# Altium PCB NC1-1A-BASIS.PcbDoc (part 1 of 3) (continued)
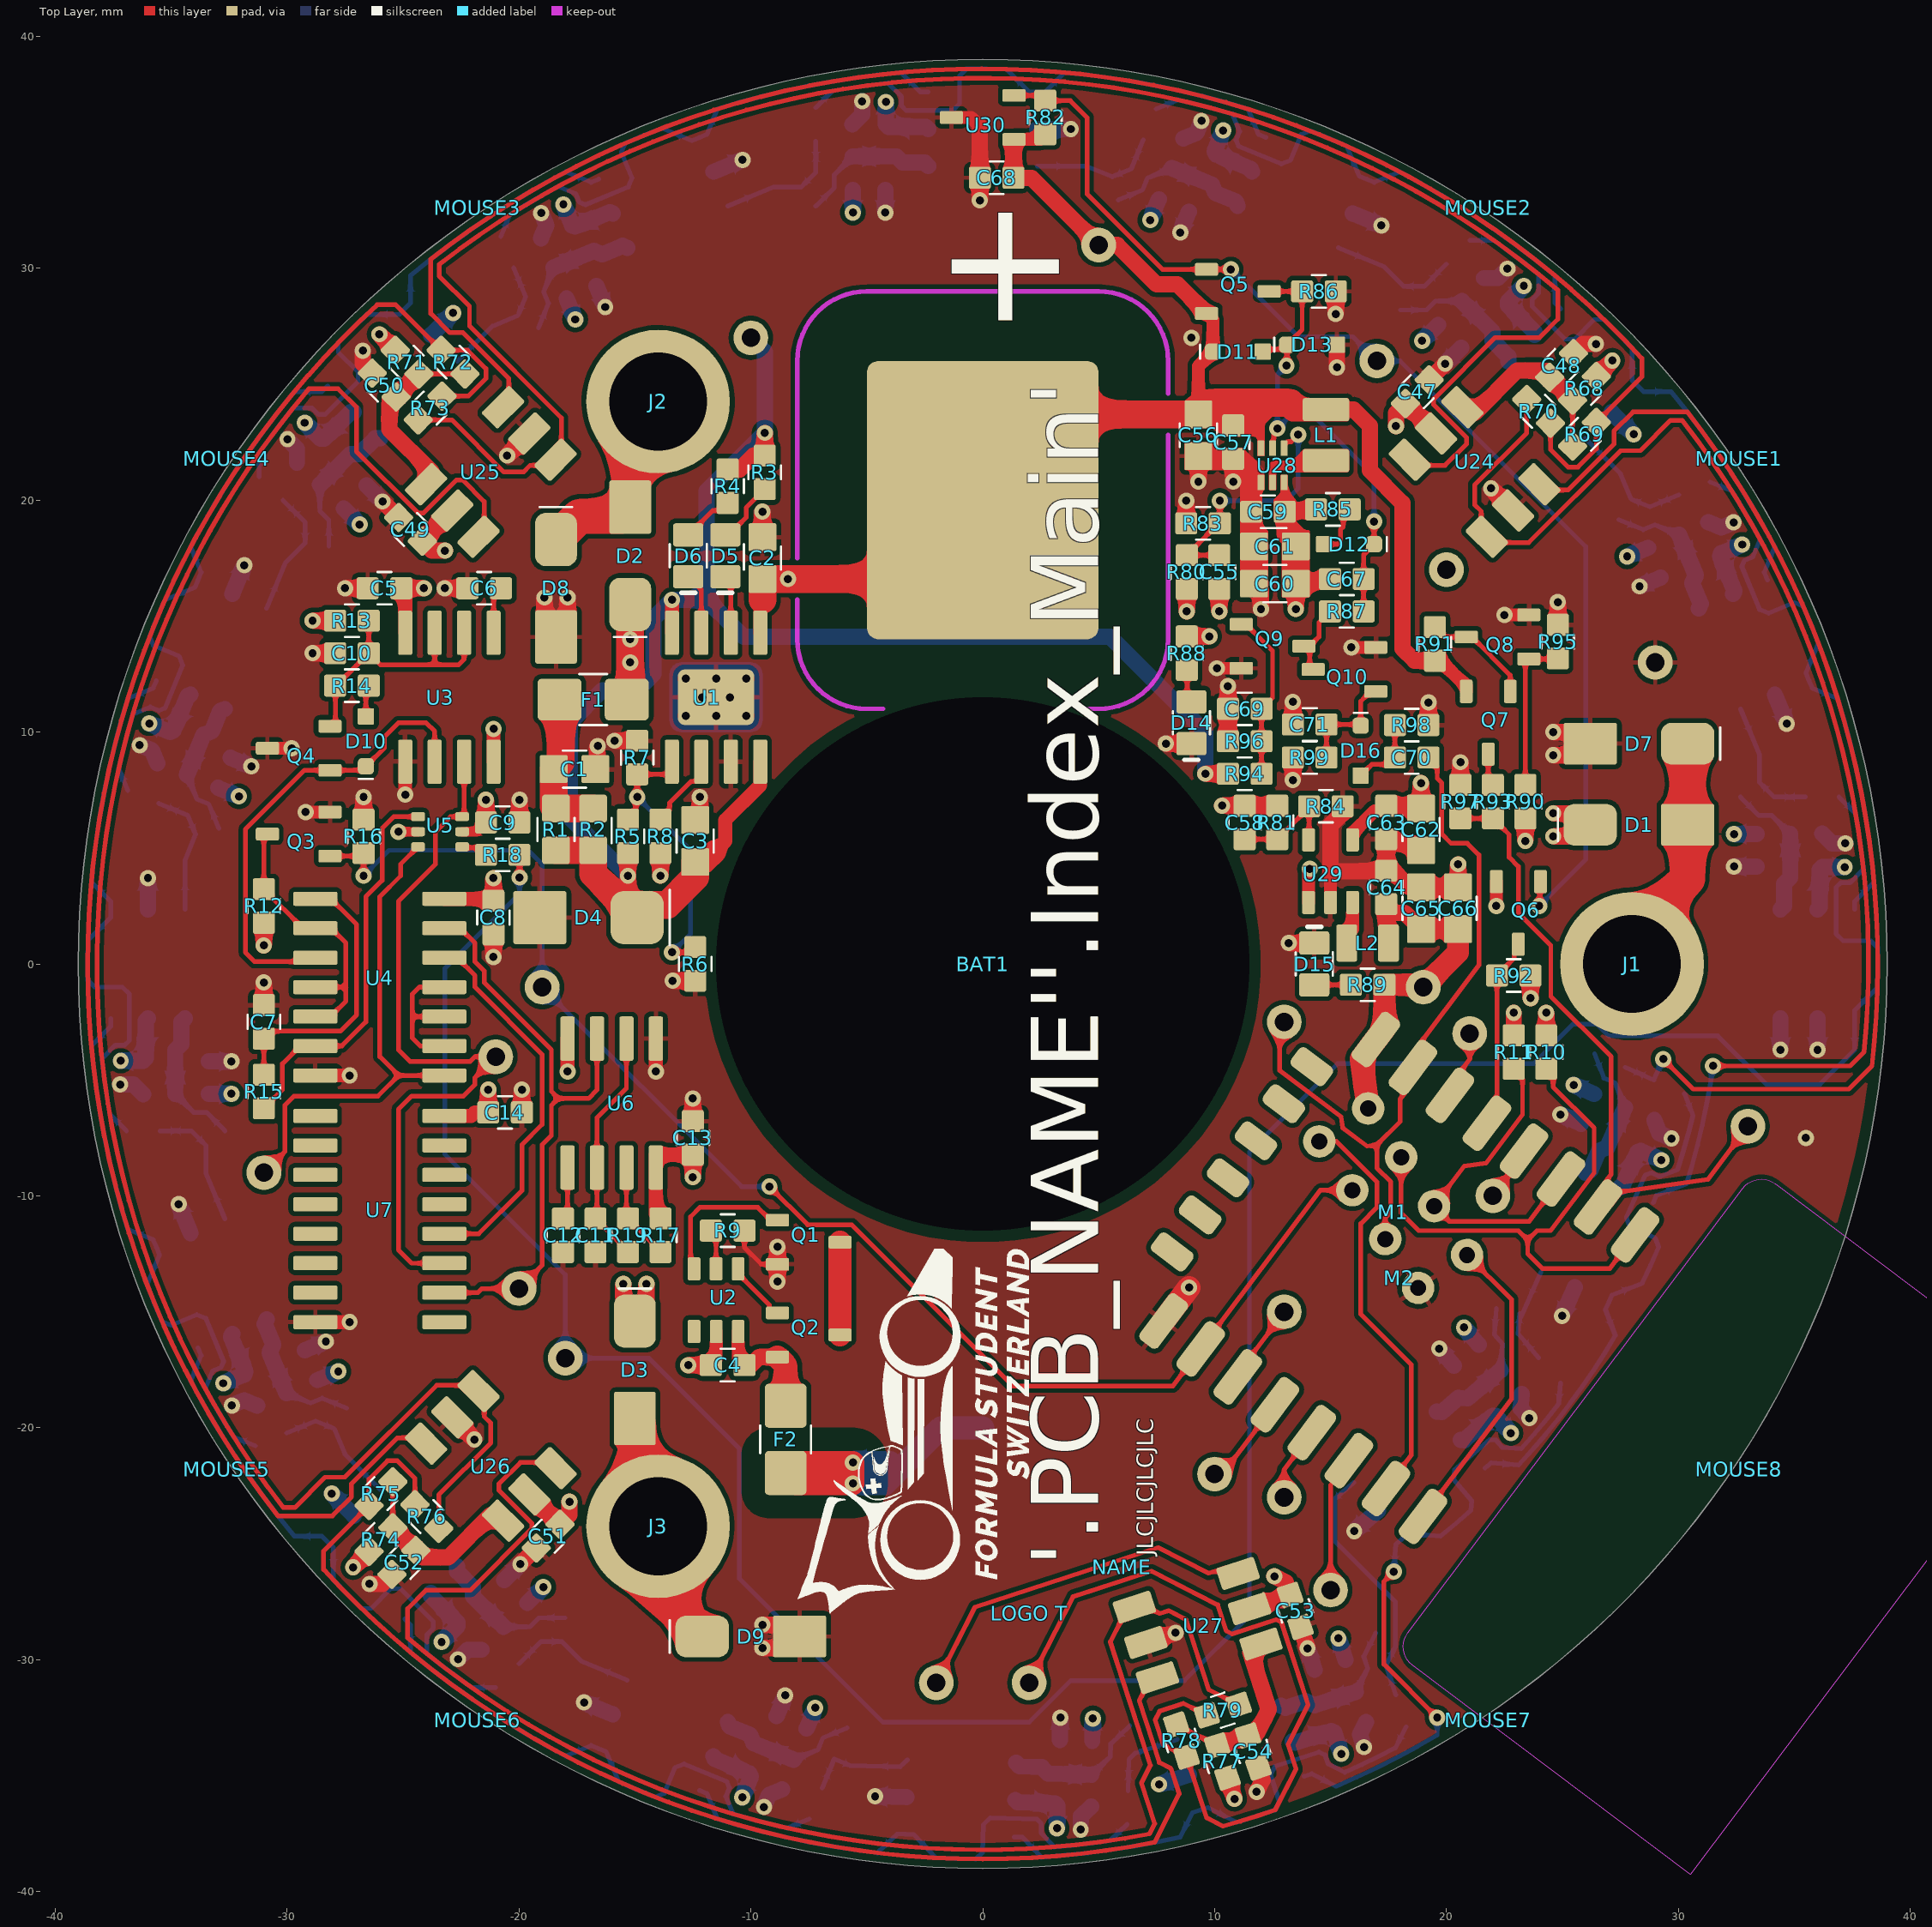
[diagram p0: Top Layer view]
## Components (designator, comment, footprint, x,y, rotation, side; value= is the part's Value field where it differs from the comment) (continued)
J1 "PEM M3, 2mm" MECH_SMTSO3020CTJ 28,0 r270 top
J2 "PEM M3, 2mm" MECH_SMTSO3020CTJ -14,24.249 r330 top
J3 "PEM M3, 2mm" MECH_SMTSO3020CTJ -14,-24.249 r210 top
L1 "1UH/2520" INDM2520X10 14.8,22.8 r270 top value=1UH
L2 "2.2UH/2016" INDM2016X10 16.6,0.9 r0 top value=2.2UH
"LOGO B" "Comment" FSCH-LOGO-20MM 1,34 r315 bottom
"LOGO T" "Comment" FSCH-LOGO-10MM 2,-28 r90 top
M1 "ESP-01S" ESP-01S 17.7,-10.1 r124 top
M2 "ESP-12F" ESP-12F 25.556,-19.258 r143 top
MOUSE1 "Comment" MOUSE-R39-CLEAR 32.427,21.667 r123.75 top
MOUSE2 "Comment" MOUSE-R39-CLEAR 21.667,32.427 r146.25 top
MOUSE3 "Comment" MOUSE-R39-CLEAR -21.667,32.427 r213.75 top
MOUSE4 "Comment" MOUSE-R39-CLEAR -32.427,21.667 r236.25 top
MOUSE5 "Comment" MOUSE-R39-CLEAR -32.427,-21.667 r303.75 top
MOUSE6 "Comment" MOUSE-R39-CLEAR -21.667,-32.427 r326.25 top
MOUSE7 "Comment" MOUSE-R39-CLEAR 21.667,-32.427 r33.75 top
MOUSE8 "Comment" MOUSE-R39-CLEAR 32.427,-21.667 r56.25 top
NAME "Comment" PCB-NAME 6,-26 r90 top
Q1 "AO3400A" SOT2395P280X125-3-SE -7.5,-12 r180 top (schematic designator Q3)
Q2 "AO3400A" SOT2395P280X125-3-SE -7.5,-16 r180 top (schematic designator Q4)
Q3 "AO3400A" SOT2395P280X125-3-SE -29.5,5.6 r0 top (schematic designator Q1)
Q4 "MMBT4403L" SOT2395P280X125-3-SE -29.5,9.3 r0 top (schematic designator Q2)
Q5 "BSS84" SOT2395P280X125-3-SE 11,29 r180 top
Q6 "BSS84" SOT2395P280X125-3-SE 23.1,2.2 r90 top
Q7 "BSS84" SOT2395P280X125-3-SE 21.8,10.4 r90 top
Q8 "AO3400A" SOT2395P280X125-3-SE 22.2,14.1 r0 top
Q9 "AO3400A" SOT2395P280X125-3-SE 12.5,13.7 r180 top
Q10 "AO3400A" SOT2395P280X125-3-SE 15.6,12.7 r0 top
R1 "1R/0805" R0805-0.50-WW -18.4,5.8 r270 top value=1R (schematic designator R14)
R2 "1R/0805" R0805-0.50-WW -16.8,5.8 r270 top value=1R (schematic designator R15)
R3 "270R/0603" R0603-0.40-WW -9.4,21.2 r270 top value=270R (schematic designator R16)
R4 "270R/0603" R0603-0.40-WW -11,20.6 r270 top value=270R (schematic designator R17)
R5 "4K7/0603" R0603-0.40-WW -15.3,5.5 r90 top value=4K7 (schematic designator R18)
R6 "10K/0603/NTC/3380K" R0603-0.40-WW -12.4,0 r270 top value=10K (schematic designator R19)
R7 "100K/0603" R0603-0.40-WW -14.9,8.9 r90 top value=100K (schematic designator R20)
R8 "1K5/0603" R0603-0.40-WW -13.9,5.5 r270 top value=1K5 (schematic designator R21)
R9 "1K5/0603" R0603-0.40-WW -11,-11.5 r0 top value=1K5 (schematic designator R22)
R10 "1K5/0603" R0603-0.40-WW 24.3,-3.8 r270 top value=1K5 (schematic designator R1)
R11 "1K5/0603" R0603-0.40-WW 22.9,-3.8 r270 top value=1K5 (schematic designator R2)
R12 "1K5/0603" R0603-0.40-WW -31,2.5 r90 top value=1K5 (schematic designator R3)
R13 "100K/0603" R0603-0.40-WW -27.2,14.8 r0 top value=100K (schematic designator R4)
R14 "20R/0603" R0603-0.40-WW -27.2,12 r180 top value=20R (schematic designator R5)
R15 "100K/0603" R0603-0.40-WW -31,-5.5 r90 top value=100K (schematic designator R6)
R16 "100K/0603" R0603-0.40-WW -26.7,5.5 r270 top value=100K (schematic designator R7)
R17 "1K5/0603" R0603-0.40-WW -13.9,-11.7 r270 top value=1K5 (schematic designator R8)
R18 "270R/0603" R0603-0.40-WW -20.7,4.7 r0 top value=270R (schematic designator R9)
R19 "270R/0603" R0603-0.40-WW -15.3,-11.7 r270 top value=270R (schematic designator R10)
R20 "270R/0603" R0603-0.40-WW 34.1,5.6 r0 bottom value=270R (schematic designator R11)
R21 "0R/0603" R0603-0.40-WW 33.4,7.2 r0 bottom value=0R (schematic designator R12)
R22 "0R/0603" R0603-0.40-WW 36.2,7.2 r180 bottom value=0R (schematic designator R13)
R23 "270R/0603" R0603-0.40-WW 29.361,18.223 r22.5 bottom value=270R (schematic designator R11)
R24 "0R/0603" R0603-0.40-WW 28.102,19.434 r22.5 bottom value=0R (schematic designator R12)
R25 "0R/0603" R0603-0.40-WW 30.689,20.505 r202.5 bottom value=0R (schematic designator R13)
R26 "270R/0603" R0603-0.40-WW 20.153,28.072 r45 bottom value=270R (schematic designator R11)
R27 "0R/0603" R0603-0.40-WW 18.526,28.709 r45 bottom value=0R (schematic designator R12)
R28 "0R/0603" R0603-0.40-WW 20.506,30.688 r225 bottom value=0R (schematic designator R13)
R29 "270R/0603" R0603-0.40-WW 7.876,33.647 r67.5 bottom value=270R (schematic designator R11)
R30 "0R/0603" R0603-0.40-WW 6.13,33.613 r67.5 bottom value=0R (schematic designator R12)
R31 "0R/0603" R0603-0.40-WW 7.201,36.2 r247.5 bottom value=0R (schematic designator R13)
R32 "270R/0603" R0603-0.40-WW -5.6,34.1 r90 bottom value=270R (schematic designator R11)
R33 "0R/0603" R0603-0.40-WW -7.2,33.4 r90 bottom value=0R (schematic designator R12)
R34 "0R/0603" R0603-0.40-WW -7.2,36.2 r270 bottom value=0R (schematic designator R13)
R35 "270R/0603" R0603-0.40-WW -18.223,29.361 r112.5 bottom value=270R (schematic designator R11)
R36 "0R/0603" R0603-0.40-WW -19.434,28.102 r112.5 bottom value=0R (schematic designator R12)
R37 "0R/0603" R0603-0.40-WW -20.505,30.689 r292.5 bottom value=0R (schematic designator R13)
R38 "270R/0603" R0603-0.40-WW -28.072,20.153 r135 bottom value=270R (schematic designator R11)
R39 "0R/0603" R0603-0.40-WW -28.709,18.526 r135 bottom value=0R (schematic designator R12)
R40 "0R/0603" R0603-0.40-WW -30.688,20.506 r315 bottom value=0R (schematic designator R13)
R41 "270R/0603" R0603-0.40-WW -33.647,7.876 r157.5 bottom value=270R (schematic designator R11)
R42 "0R/0603" R0603-0.40-WW -33.613,6.13 r157.5 bottom value=0R (schematic designator R12)
R43 "0R/0603" R0603-0.40-WW -36.2,7.201 r337.5 bottom value=0R (schematic designator R13)
R44 "270R/0603" R0603-0.40-WW -34.1,-5.6 r180 bottom value=270R (schematic designator R11)
R45 "0R/0603" R0603-0.40-WW -33.4,-7.2 r180 bottom value=0R (schematic designator R12)
R46 "0R/0603" R0603-0.40-WW -36.2,-7.2 r0 bottom value=0R (schematic designator R13)
R47 "270R/0603" R0603-0.40-WW -29.361,-18.223 r202.5 bottom value=270R (schematic designator R11)
R48 "0R/0603" R0603-0.40-WW -28.102,-19.434 r202.5 bottom value=0R (schematic designator R12)
R49 "0R/0603" R0603-0.40-WW -30.689,-20.505 r22.5 bottom value=0R (schematic designator R13)
R50 "270R/0603" R0603-0.40-WW -20.153,-28.072 r225 bottom value=270R (schematic designator R11)
R51 "0R/0603" R0603-0.40-WW -18.526,-28.709 r225 bottom value=0R (schematic designator R12)
R52 "0R/0603" R0603-0.40-WW -20.506,-30.688 r45 bottom value=0R (schematic designator R13)
R53 "270R/0603" R0603-0.40-WW -7.876,-33.647 r247.5 bottom value=270R (schematic designator R11)
R54 "0R/0603" R0603-0.40-WW -6.13,-33.613 r247.5 bottom value=0R (schematic designator R12)
R55 "0R/0603" R0603-0.40-WW -7.201,-36.2 r67.5 bottom value=0R (schematic designator R13)
R56 "270R/0603" R0603-0.40-WW 4.705,-34.235 r268.5 bottom value=270R (schematic designator R11)
R57 "0R/0603" R0603-0.40-WW 6.323,-33.577 r268.5 bottom value=0R (schematic designator R12)
R58 "0R/0603" R0603-0.40-WW 6.25,-36.376 r88.5 bottom value=0R (schematic designator R13)
R59 "270R/0603" R0603-0.40-WW 15.863,-30.701 r288 bottom value=270R (schematic designator R11)
R60 "0R/0603" R0603-0.40-WW 17.169,-29.54 r288 bottom value=0R (schematic designator R12)
R61 "0R/0603" R0603-0.40-WW 18.034,-32.203 r108 bottom value=0R (schematic designator R13)
R62 "270R/0603" R0603-0.40-WW 21.858,-16.97 r310.5 bottom value=270R (schematic designator R11)
R63 "0R/0603" R0603-0.40-WW 22.62,-15.399 r310.5 bottom value=0R (schematic designator R12)
R64 "0R/0603" R0603-0.40-WW 24.439,-17.528 r130.5 bottom value=0R (schematic designator R13)
R65 "270R/0603" R0603-0.40-WW 27.035,-5.907 r336 bottom value=270R (schematic designator R11)
R66 "0R/0603" R0603-0.40-WW 27.046,-4.16 r336 bottom value=0R (schematic designator R12)
R67 "0R/0603" R0603-0.40-WW 29.604,-5.299 r156 bottom value=0R (schematic designator R13)
R68 "270R/0603" R0603-0.40-WW 25.951,24.819 r225 top value=270R (schematic designator R11)
R69 "0R/0603" R0603-0.40-WW 25.951,22.84 r45 top value=0R (schematic designator R12)
R70 "0R/0603" R0603-0.40-WW 23.971,23.829 r315 top value=0R (schematic designator R13)
R71 "270R/0603" R0603-0.40-WW -24.819,25.951 r315 top value=270R (schematic designator R11)
R72 "0R/0603" R0603-0.40-WW -22.84,25.951 r135 top value=0R (schematic designator R12)
R73 "0R/0603" R0603-0.40-WW -23.829,23.971 r45 top value=0R (schematic designator R13)
R74 "270R/0603" R0603-0.40-WW -25.951,-24.819 r45 top value=270R (schematic designator R11)
R75 "0R/0603" R0603-0.40-WW -25.951,-22.84 r225 top value=0R (schematic designator R12)
R76 "0R/0603" R0603-0.40-WW -23.971,-23.83 r135 top value=0R (schematic designator R13)
R77 "270R/0603" R0603-0.40-WW 10.333,-34.39 r108 top value=270R (schematic designator R11)
R78 "0R/0603" R0603-0.40-WW 8.569,-33.491 r288 top value=0R (schematic designator R12)
R79 "0R/0603" R0603-0.40-WW 10.35,-32.177 r198 top value=0R (schematic designator R13)
R80 "100K/0603" R0603-0.40-WW 8.8,16.9 r90 top value=100K (schematic designator R23)
R81 "100K/0603" R0603-0.40-WW 12.7,6.1 r270 top value=100K (schematic designator R24)
R82 "100K/0603" R0603-0.40-WW 2.7,36.5 r90 top value=100K (schematic designator R25)
R83 "13K/0603" R0603-0.40-WW 9.5,19 r0 top value=13K (schematic designator R26)
R84 "22K/0603" R0603-0.40-WW 14.8,6.8 r0 top value=22K (schematic designator R27)
R85 "22K/0603" R0603-0.40-WW 15.1,19.6 r180 top value=22K (schematic designator R28)
R86 "100K/0603" R0603-0.40-WW 14.5,29 r0 top value=100K (schematic designator R29)
R87 "1K5/0603" R0603-0.40-WW 15.7,15.2 r180 top value=1K5 (schematic designator R30)
R88 "270R/0603" R0603-0.40-WW 8.8,13.4 r270 top value=270R (schematic designator R31)
R89 "20R/0603" R0603-0.40-WW 16.6,-0.9 r180 top value=20R (schematic designator R32)
R90 "22K/0603" R0603-0.40-WW 23.4,7 r90 top value=22K (schematic designator R33)
R91 "100K/0603" R0603-0.40-WW 19.5,13.8 r90 top value=100K (schematic designator R34)
R92 "100K/0603" R0603-0.40-WW 22.9,-0.5 r0 top value=100K (schematic designator R35)
R93 "100K/0603" R0603-0.40-WW 22,7 r270 top value=100K (schematic designator R36)
R94 "100K/0603" R0603-0.40-WW 11.3,8.2 r0 top value=100K (schematic designator R37)
R95 "100K/0603" R0603-0.40-WW 24.8,13.9 r90 top value=100K (schematic designator R38)
R96 "10M/0603" R0603-0.40-WW 11.3,9.6 r180 top value=10M (schematic designator R39)
R97 "22K/0603" R0603-0.40-WW 20.6,7 r90 top value=22K (schematic designator R40)
R98 "270R/0603" R0603-0.40-WW 18.5,10.3 r0 top value=270R (schematic designator R41)
R99 "100K/0603" R0603-0.40-WW 14.1,8.9 r180 top value=100K (schematic designator R42)
TP1 "TP_THD_1.5/0.8" TP_THD_1.5/0.8 -10,27 r180 bottom (schematic designator TP15)
TP2 "TP_THD_1.5/0.8" TP_THD_1.5/0.8 5,31 r180 bottom (schematic designator TP16)
TP3 "TP_THD_1.5/0.8" TP_THD_1.5/0.8 13,-2.5 r180 bottom (schematic designator TP1)
TP4 "TP_THD_1.5/0.8" TP_THD_1.5/0.8 -19,-1 r180 bottom (schematic designator TP2)
TP5 "TP_THD_1.5/0.8" TP_THD_1.5/0.8 10,-22 r180 bottom (schematic designator TP3)
TP6 "TP_THD_1.5/0.8" TP_THD_1.5/0.8 13,-15 r180 bottom (schematic designator TP4)
TP7 "TP_THD_1.5/0.8" TP_THD_1.5/0.8 13,-23 r180 bottom (schematic designator TP5)
TP8 "TP_THD_1.5/0.8" TP_THD_1.5/0.8 15,-27 r180 bottom (schematic designator TP6)
TP9 "TP_THD_1.5/0.8" TP_THD_1.5/0.8 21,-3 r225 bottom
TP10 "TP_THD_1.5/0.8" TP_THD_1.5/0.8 22,-10 r180 bottom
TP11 "TP_THD_1.5/0.8" TP_THD_1.5/0.8 -21,-4 r180 bottom (schematic designator TP9)
TP12 "TP_THD_1.5/0.8" TP_THD_1.5/0.8 -18,-17 r180 bottom (schematic designator TP10)
TP13 "TP_THD_1.5/0.8" TP_THD_1.5/0.8 -20,-14 r180 bottom (schematic designator TP11)
TP14 "TP_THD_1.5/0.8" TP_THD_1.5/0.8 -31,-9 r180 bottom (schematic designator TP12)
TP15 "TP_THD_1.5/0.8" TP_THD_1.5/0.8 -2,-31 r90 bottom (schematic designator TP13)
TP16 "TP_THD_1.5/0.8" TP_THD_1.5/0.8 2,-31 r169.78 bottom (schematic designator TP14)
TP17 "TP_THD_1.5/0.8" TP_THD_1.5/0.8 20,17 r225 bottom
TP18 "TP_THD_1.5/0.8" TP_THD_1.5/0.8 19,-1 r225 bottom
TP19 "TP_THD_1.5/0.8" TP_THD_1.5/0.8 17,26 r180 bottom
TP20 "TP_THD_1.5/0.8" TP_THD_1.5/0.8 29,13 r180 bottom
TP21 "TP_THD_1.5/0.8" TP_THD_1.5/0.8 33,-7 r180 bottom
U1 "TP4056-MS" SOP127P600X155-9-TH330x240-NW -11.5,11.5 r90 top (schematic designator U7)
U2 "DW01A" SOT2395P280X125-6-SW -11.5,-14.5 r180 top (schematic designator U8)
U3 "XL555" SOP127P600X155-8-SW -23,11.5 r0 top (schematic designator U1)
U4 "AIP74HC00" SOP127P600X155-14-SW -26,-1 r270 top (schematic designator U2)
U5 "74LVC1G157" SOT65P210X95-6-SE -23.4,5.7 r180 top (schematic designator U3)
U6 "XL555" SOP127P600X155-8-SW -16,-6 r180 top (schematic designator U4)
U7 "CD4040BC" SOP127P600X155-16-SW -26,-11 r270 top (schematic designator U5)
U8 "WS2813B-V5" LEDM5050X165-6-SE#1 36,0 r90 bottom (schematic designator U6)
U9 "WS2813B-V5" LEDM5050X165-6-SE#1 33.26,13.777 r112.5 bottom (schematic designator U6)
U10 "WS2813B-V5" LEDM5050X165-6-SE#1 25.456,25.456 r135 bottom (schematic designator U6)
U11 "WS2813B-V5" LEDM5050X165-6-SE#1 13.777,33.26 r157.5 bottom (schematic designator U6)
U12 "WS2813B-V5" LEDM5050X165-6-SE#1 0,36 r180 bottom (schematic designator U6)
U13 "WS2813B-V5" LEDM5050X165-6-SE#1 -13.777,33.26 r202.5 bottom (schematic designator U6)
U14 "WS2813B-V5" LEDM5050X165-6-SE#1 -25.456,25.456 r225 bottom (schematic designator U6)
U15 "WS2813B-V5" LEDM5050X165-6-SE#1 -33.26,13.777 r247.5 bottom (schematic designator U6)
U16 "WS2813B-V5" LEDM5050X165-6-SE#1 -36,0 r270 bottom (schematic designator U6)
U17 "WS2813B-V5" LEDM5050X165-6-SE#1 -33.26,-13.777 r292.5 bottom (schematic designator U6)
U18 "WS2813B-V5" LEDM5050X165-6-SE#1 -25.456,-25.456 r315 bottom (schematic designator U6)
U19 "WS2813B-V5" LEDM5050X165-6-SE#1 -13.777,-33.26 r337.5 bottom (schematic designator U6)
U20 "WS2813B-V5" LEDM5050X165-6-SE#1 -0.942,-35.988 r358.5 bottom (schematic designator U6)
U21 "WS2813B-V5" LEDM5050X165-6-SE#1 11.125,-34.238 r18 bottom (schematic designator U6)
U22 "WS2813B-V5" LEDM5050X165-6-SE#1 18.834,-22.052 r40.5 bottom (schematic designator U6)
U23 "WS2813B-V5" LEDM5050X165-6-SE#1 26.493,-11.795 r66 bottom (schematic designator U6)
U24 "WS2813B-V5" LEDM5050X165-6-SE#2 21.213,21.213 r135 top (schematic designator U6)
U25 "WS2813B-V5" LEDM5050X165-6-SE#2 -21.213,21.213 r225 top (schematic designator U6)
U26 "WS2813B-V5" LEDM5050X165-6-SE#2 -21.213,-21.213 r315 top (schematic designator U6)
U27 "WS2813B-V5" LEDM5050X165-6-SE#2 9.271,-28.532 r18 top (schematic designator U6)
U28 "TPS61023" SOT50P160X60-6-SE 12.5,21.5 r90 top (schematic designator U9)
U29 "ZD8028C" SOT2395P280X125-5-SW 15,4 r0 top (schematic designator U10)
U30 "UHE4913" SOT2395P280X125-3-SE 0,36.5 r0 top (schematic designator U11)
? "Comment" JLC-ORDER 7.2,-21.5 r90 top

## Footprints (in the part's own frame and the unit in brackets; to place one, negate y for a bottom-side part, rotate by r counter-clockwise, add the part's x,y. Pads: shape width x height; smd on the part's side, far side on the other; paste and mask are expansions set on the pad)
BAT-21700-NC [mm] "Hole for 21700 with two solder Pads for FSCH nightcone project"
  rrect10% 12x10 smd paste-2539.97: 1(20,0)
  rrect10% 12x10 smd far side paste-2539.97: 2(-20,0)
  round 0 hole 23 unplated: M15(0,0)
  body extent -24,-10.5 24,10.5, height 40
CAP0603_C0G [mm]
  rrect20% 0.95x0.95 smd: 1(-0.725,0) 2(0.725,0)
  silkscreen extent -0.3,-0.7 0.3,0.7, body extent -0.8,-0.41 0.8,0.41, height 0.57
CAP0603_X7R [mm]
  rrect20% 0.95x0.95 smd: 1(-0.725,0) 2(0.725,0)
  silkscreen extent -0.3,-0.7 0.3,0.7, body extent -0.8,-0.41 0.8,0.41, height 0.57
CAP0805_X7R [mm] "Chip Capacitor 0805mil / 2012mm"
  rrect10% 1.2x1.2 smd: 1(-0.9,0) 2(0.9,0)
  silkscreen extent -0.5,-0.8 0.5,0.8, body extent -1,-0.51 1,0.51, height 0.72
DIOM5226X230 [mm] "DO-214AC"
  rrect50% 2.3x1.8 smd: 1(-2.1,0)
  rrect10% 2.3x1.8 smd: 2(2.1,0)
  silkscreen extent -3.5,-0.7 -3.5,0.7, body extent -2.6,-1.4 2.6,1.4, height 2.29
DIOM5436X265 [mm] "DO-214AA"
  rrect50% 2.3x2.3 smd: 1(-2.1,0)
  rrect10% 2.3x2.3 smd: 2(2.1,0)
  silkscreen extent -3.5,-1.2 -3.5,1.2, body extent -2.7,-1.8 2.7,1.8, height 2.65
ESP-01S [mm]
  round 0.4 on Top Overlay: 1(-4.4,2.5)
  round 1.4 hole 0.7: 1(-3.81,1.27) 2(-1.27,1.27) 3(1.27,1.27) 4(3.81,1.27) 5(-3.81,-1.27) 6(-1.27,-1.27) 7(1.27,-1.27) 8(3.81,-1.27)
  body extent -7.3,-2.8 7.1,21.9, height 5
ESP-12F [mm]
  rrect50% 1x2.5 smd: 1(2.5,-7.6) 2(4.5,-7.6) 3(6.5,-7.6) 4(8.5,-7.6) 5(10.5,-7.6) 6(12.5,-7.6) 7(14.5,-7.6) 8(16.5,-7.6) 15(16.5,7.6) 16(14.5,7.6) 17(12.5,7.6) 18(10.5,7.6) 19(8.5,7.6) 20(6.5,7.6) 21(4.5,7.6) 22(2.5,7.6)
  rrect50% 1.8x1 smd: 9(18,-5) 10(18,-3) 11(18,-1) 12(18,1) 13(18,3) 14(18,5)
  Keep-Out Layer region: -16,13 -1,13 -0.617,12.924 -0.293,12.707 -0.076,12.383 0,12 0,12 0,-12 -0.076,-12.383 -0.293,-12.707 -0.617,-12.924 -1,-13 -1,-13 -16,-13
  body extent -6,-8 18,8, height 3.1
FSCH-LOGO-10MM [mm]
  silkscreen extent 0,0 15.7,9.99, body extent 0,0 15.7,9.99, height 0.01
FSCH-LOGO-20MM [mm]
  silkscreen extent 0,0 31.48,20.02, body extent 0,0 31.48,20.02, height 0.01
Fuse1206-0.55-WW [mm]
  rrect20% 1.9x1.8 smd: 1(-1.45,0) 2(1.45,0)
  silkscreen extent -0.6,-1.1 0.6,1.1, body extent -1.6,-0.8 1.6,0.8, height 0.62
INDM2016X10 [mm]
  rrect20% 0.9x1.6 smd: 1(-0.9,0) 2(0.9,0)
  body extent -1,-0.8 1,0.8, height 1
INDM2520X10 [mm]
  rrect20% 1x2 smd: 1(-1.1,0) 2(1.1,0)
  body extent -1.25,-1 1.26,1, height 1
JLC-ORDER [mm] "Placement of JLCPCB order number"
LED0805_GREEN [mm]
  rrect20% 1x1.3 smd: 1(-0.9,0) 2(0.9,0)
  silkscreen extent -1.6,-0.8 0.5,0.8, body extent -1,-0.6 1,0.6, height 0.8
LEDM5050X165-6-SE#1 [mm] "WS2813"
  rrect20% 1.7x1 smd: 1(2.35,-1.6) 2(2.35,0) 3(2.35,1.6) 4(-2.35,1.6) 5(-2.35,0) 6(-2.35,-1.6)
  round 0.4 on Bottom Overlay: 1(2.5,-2.7)
  body extent -2.7,-2.5 2.7,2.5, height 1.65
LEDM5050X165-6-SE#2 [mm] "WS2813"
  rrect20% 1.7x1 smd: 1(2.35,-1.6) 2(2.35,0) 3(2.35,1.6) 4(-2.35,1.6) 5(-2.35,0) 6(-2.35,-1.6)
  round 0.4 on Top Overlay: 1(2.5,-2.7)
  body extent -2.7,-2.5 2.7,2.5, height 1.65
MECH_SMTSO3020CTJ [mm] "SMTSO M3x0.5, 2mm Solder Nut"
  round 6.2 / inner round 5.2 / far side round 5.2 hole 4.22: 1(0,0)
  body extent -2.77,-2.78 2.77,2.78, height 2
MOUSE-R39-CLEAR [mm] "Mouse-bites on a radius of 39mm / Holes moved outside to avoid collisions with tracks on PCB"
  round 0 hole 0.6 unplated: 0(-2.498,-0.221) 0(-1.5,-0.271) 0(-0.5,-0.297) 0(0.5,-0.297) 0(1.5,-0.271) 0(2.498,-0.221)
PCB-NAME [mm]
R0603-0.40-WW [mm]
  rrect20% 0.95x0.95 smd: 1(-0.725,0) 2(0.725,0)
  silkscreen extent -0.3,-0.7 0.3,0.7, body extent -0.8,-0.4 0.8,0.4, height 0.3
R0805-0.50-WW [mm]
  rrect20% 1.2x1.2 smd: 1(-0.9,0) 2(0.9,0)
  silkscreen extent -0.5,-0.8 0.5,0.8, body extent -1,-0.5 1,0.5, height 0.37
SOD2513X100 [mm] "SOD-323"
  rrect50% 0.7x0.7 smd: 1(-1.075,0)
  rrect10% 0.7x0.7 smd: 2(1.075,0)
  silkscreen extent -1.63,-0.3 -1.63,0.3, body extent -1.25,-0.65 1.25,0.65, height 1
SOP127P600X155-8-SW [mm] "PHDSO-G8-I127, JEDEC MS-012AA, SOIC8"
  round 0.4 on Top Overlay: 1(-2.7,-2.5)
  rrect25% 0.61x1.91 smd: 1(-1.905,-2.78) 2(-0.635,-2.78) 3(0.635,-2.78) 4(1.905,-2.78) 5(1.905,2.78) 6(0.635,2.78) 7(-0.635,2.78) 8(-1.905,2.78)
  body extent -2.4,-3 2.4,3, height 1.45
SOP127P600X155-9-TH330x240-NW [mm] "PHDSO-G8-I127, JEDEC MS-012AA, SOIC8 with Thermal Pad"
  rrect25% 1.91x0.61 smd: 1(-2.78,1.905) 2(-2.78,0.635) 3(-2.78,-0.635) 4(-2.78,-1.905) 5(2.78,-1.905) 6(2.78,-0.635) 7(2.78,0.635) 8(2.78,1.905)
  round 0.4 on Top Overlay: 1(-2.5,2.7)
  rrect25% 2.4x3.3 smd: EP(0,0)
  body extent -3,-2.45 3,2.45, height 1.7
SOP127P600X155-14-SW [mm] "PHDSO-G8-I127, JEDEC MS-012AA, SOIC8"
  round 0.4 on Top Overlay: 1(-4.605,-2.5)
  rrect25% 0.61x1.91 smd: 1(-3.81,-2.78) 2(-2.54,-2.78) 3(-1.27,-2.78) 4(0,-2.78) 5(1.27,-2.78) 6(2.54,-2.78) 7(3.81,-2.78) 8(3.81,2.78) 9(2.54,2.78) 10(1.27,2.78) 11(0,2.78) 12(-1.27,2.78) 13(-2.54,2.78) 14(-3.81,2.78)
  body extent -4.31,-3 4.31,3, height 1.6
SOP127P600X155-16-SW [mm] "PHDSO-G8-I127, JEDEC MS-012AA, SOIC8"
  round 0.4 on Top Overlay: 1(-5.24,-2.5)
  rrect25% 0.61x1.91 smd: 1(-4.445,-2.78) 2(-3.175,-2.78) 3(-1.905,-2.78) 4(-0.635,-2.78) 5(0.635,-2.78) 6(1.905,-2.78) 7(3.175,-2.78) 8(4.445,-2.78) 9(4.445,2.78) 10(3.175,2.78) 11(1.905,2.78) 12(0.635,2.78) 13(-0.635,2.78) 14(-1.905,2.78) 15(-3.175,2.78) 16(-4.445,2.78)
  body extent -4.94,-3 4.94,3, height 1.6
SOT50P160X60-6-SE [mm] "SOT563"
  round 0.2 on Top Overlay: 1(0.7,-0.9)
  rrect25% 0.67x0.3 smd: 1(0.74,-0.5) 2(0.74,0) 3(0.74,0.5) 4(-0.74,0.5) 5(-0.74,0) 6(-0.74,-0.5)
  body extent -0.8,-0.8 0.8,0.8, height 0.6
SOT65P210X95-6-SE [mm] "SOT-363"
  round 0.2 on Top Overlay: 1(0.9,-1.2)
  rrect50% 0.6x0.4 smd: 1(0.95,-0.65) 2(0.95,0) 3(0.95,0.65) 4(-0.95,0.65) 5(-0.95,0) 6(-0.95,-0.65)
  body extent -1.1,-1.1 1.1,1.1, height 1.11
SOT2395P280X125-3-SE [mm] "SOT23-3, SC74"
  rrect25% 1x0.55 smd: 1(1.35,-0.95) 2(1.35,0.95) 3(-1.35,0)
  round 0.4 on Top Overlay: 1(1.6,-1.6)
  body extent -1.4,-1.45 1.4,1.45, height 1.26
SOT2395P280X125-5-SW [mm] "SOT23-5"
  round 0.4 on Top Overlay: 1(-1.6,-1.6)
  rrect25% 0.55x1 smd: 1(-0.95,-1.35) 2(0,-1.35) 3(0.95,-1.35) 4(0.95,1.35) 5(-0.95,1.35)
  body extent -1.45,-1.4 1.45,1.4, height 1.26
SOT2395P280X125-6-SW [mm] "SOT23-6"
  round 0.4 on Top Overlay: 1(-1.6,-1.6)
  rrect25% 0.55x1 smd: 1(-0.95,-1.35) 2(0,-1.35) 3(0.95,-1.35) 4(0.95,1.35) 5(-0.01,1.35) 6(-0.95,1.35)
  body extent -1.45,-1.4 1.45,1.4, height 1.26
TP_THD_1.5/0.8 [mm] "Testpoint THD 1.5mm / 0.8mm"
  round 1.5 hole 0.8: 1(0,0)
  silkscreen extent -1,-1 1,1